# KiCad board control.kicad_pcb (continued)
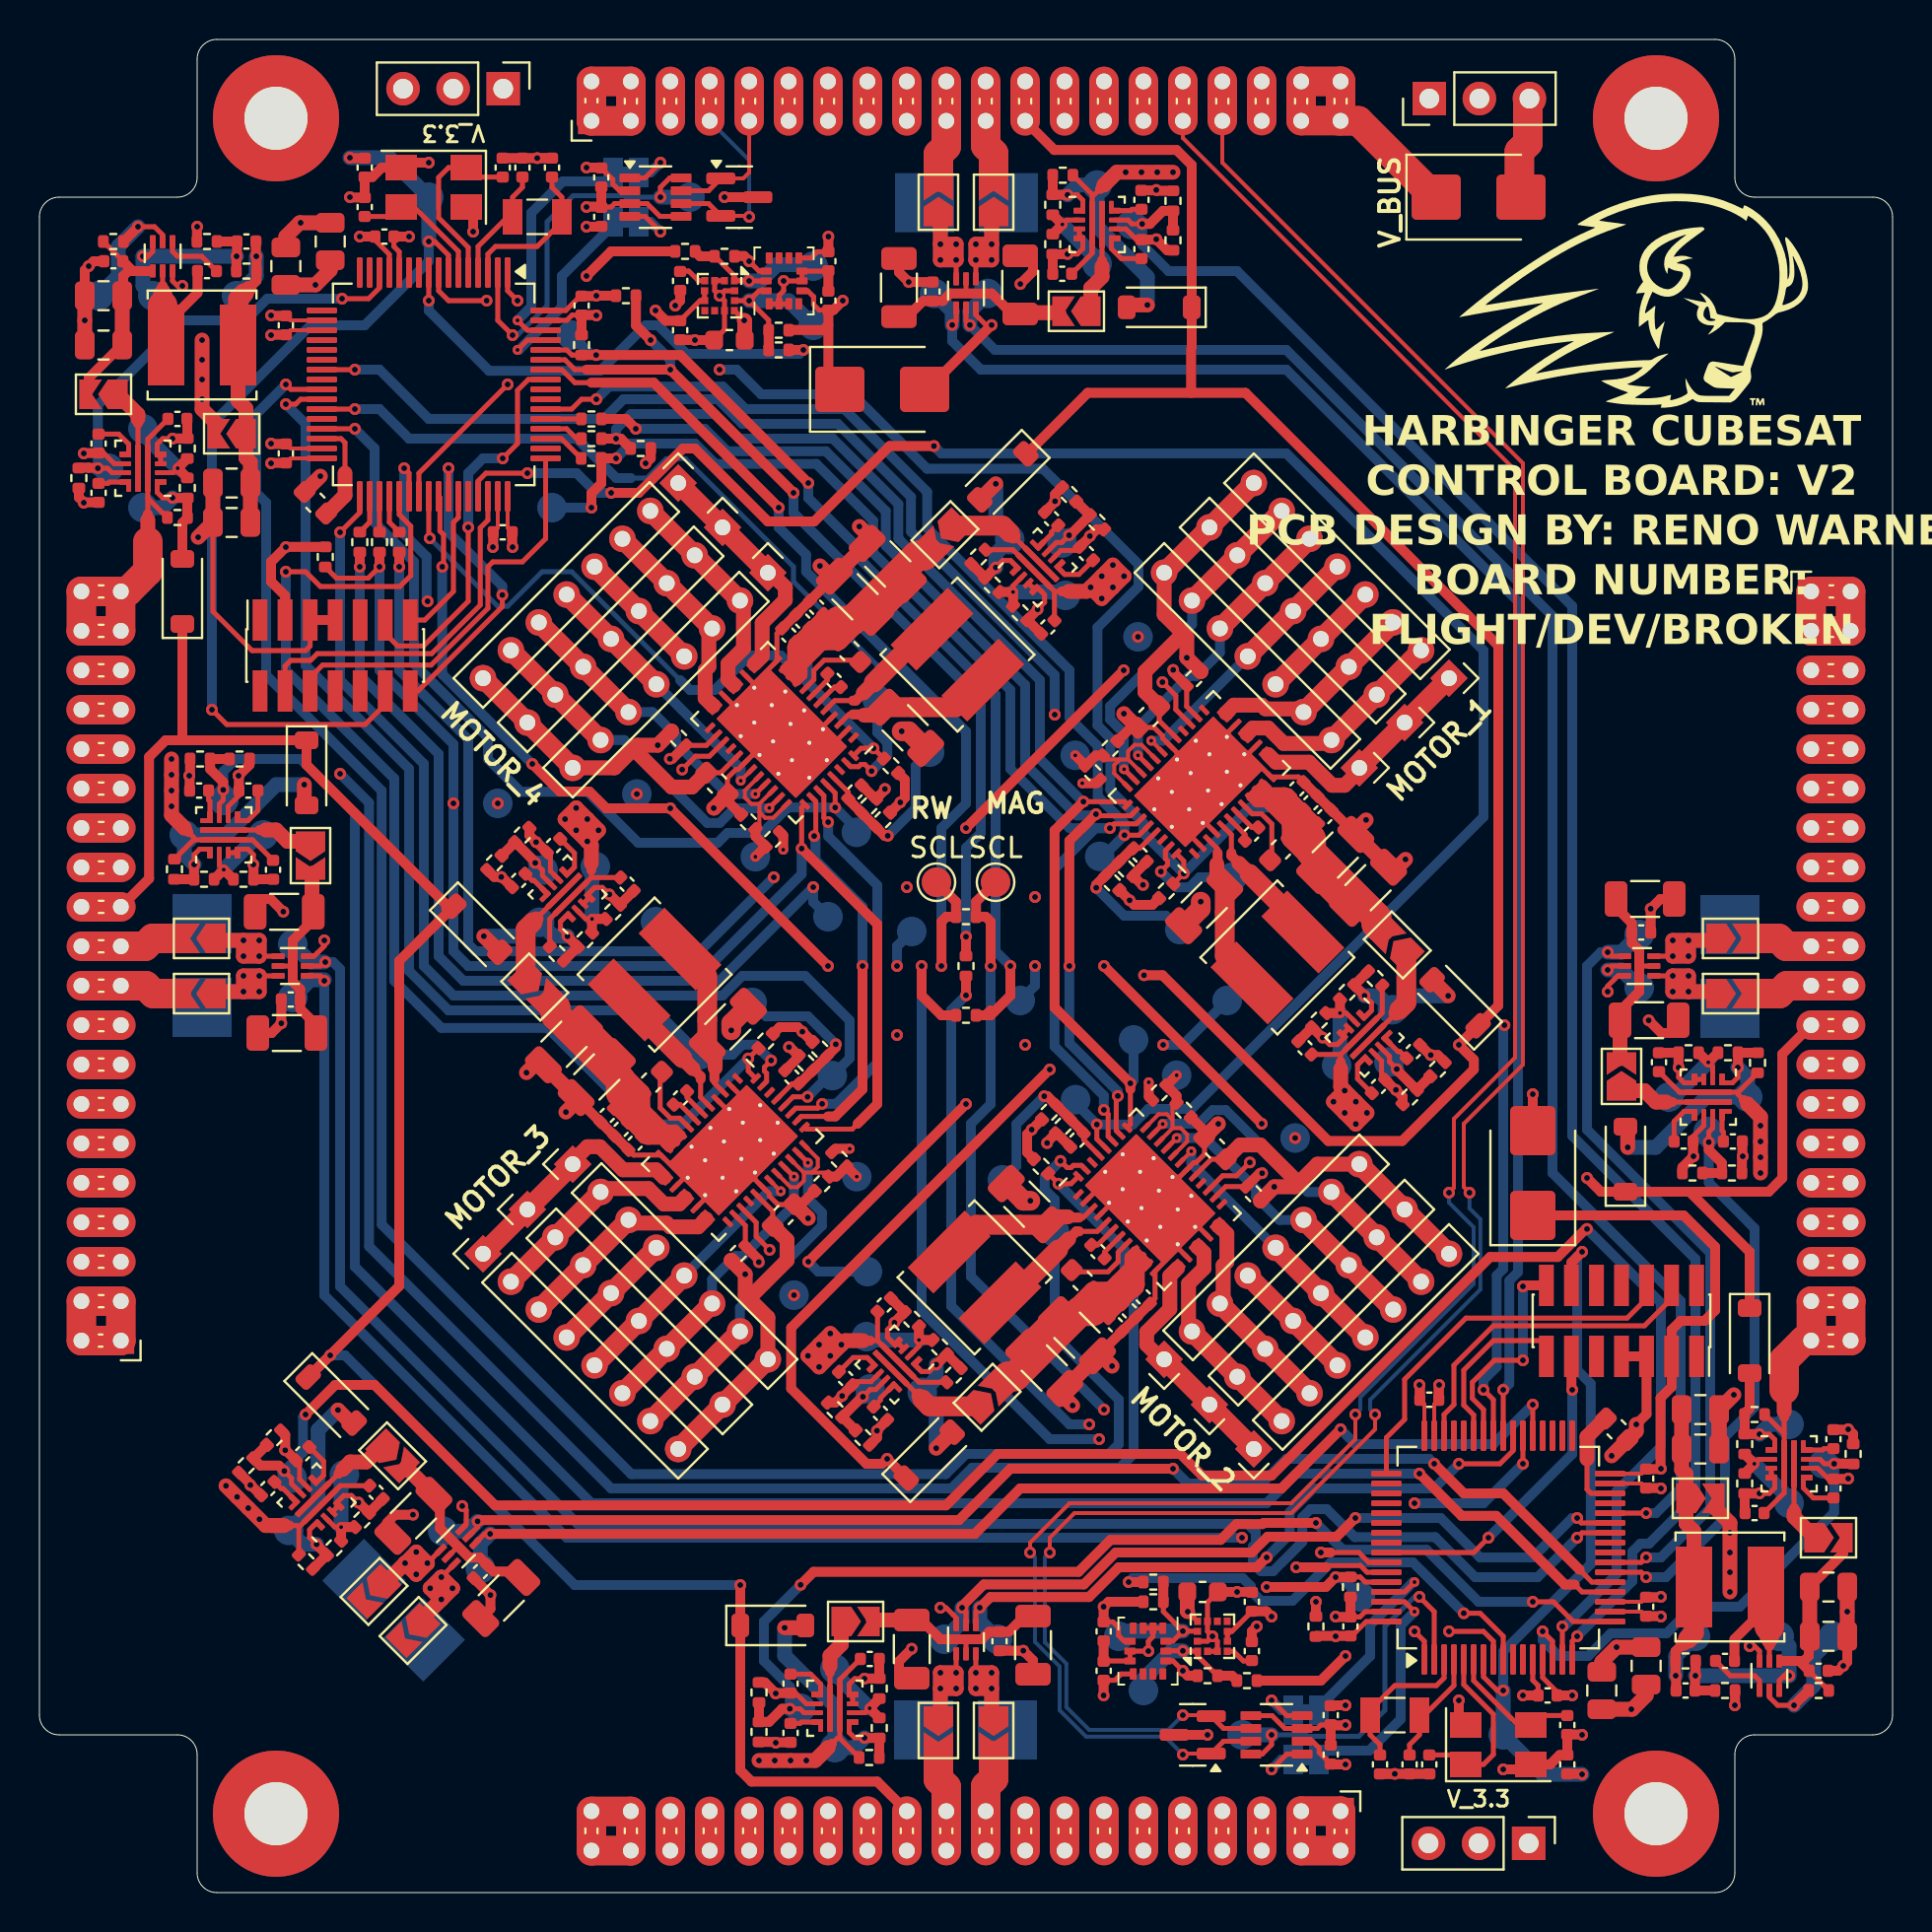
[diagram p0: board, top side]
## Placement (name value [footprint] x y rotation side) (continued)
R95  4.7kΩ  [R_0402_1005Metric]  7.5 73.25 90 top
R96  133kΩ  [R_0402_1005Metric]  10.5 82.25 180 top
R97  133kΩ  [R_0402_1005Metric]  3.75 83.75 0 top
R98  30kΩ  [R_0402_1005Metric]  8.5 83.75 180 top
R99  4.7kΩ  [R_0402_1005Metric]  27.5 78.5 90 top
R100  30kΩ  [R_0402_1005Metric]  87 24.25 180 top
R101  4.7kΩ  [R_0402_1005Metric]  86.5 22.75 270 top
R102  4.7kΩ  [R_0402_1005Metric]  86.5 20.75 270 top
R103  133kΩ  [R_0402_1005Metric]  83.5 11.75 0 top
R104  133kΩ  [R_0402_1005Metric]  90.25 10.25 180 top
R105  30kΩ  [R_0402_1005Metric]  85.5 10.25 0 top
R106  4.7kΩ  [R_0402_1005Metric]  66.5 15.5 270 top
TP1  UV  [TestPoint_Pad_D1.5mm]  68.63 44.78 225 bottom
TP2  OV  [TestPoint_Pad_D1.5mm]  65.8 41.95 225 bottom
TP3  I  [TestPoint_Pad_D1.5mm]  68.45 42.13 45 bottom
TP4  MISO  [TestPoint_Pad_D1.5mm]  23.25 55.25 0 bottom
TP5  MOSI  [TestPoint_Pad_D1.5mm]  31.25 49.25 0 bottom
TP6  CLK  [TestPoint_Pad_D1.5mm]  40 49.5 90 bottom
TP7  MISO  [TestPoint_Pad_D1.5mm]  55.5 43.25 0 bottom
TP8  MOSI  [TestPoint_Pad_D1.5mm]  60.25 45.25 270 bottom
TP9  CLK  [TestPoint_Pad_D1.5mm]  26 70.25 180 bottom
TP10  SLEEP  [TestPoint_Pad_D1.5mm]  42 31.5 270 bottom
TP11  SCL  [TestPoint_Pad_D1.5mm]  39.25 82.5 270 bottom
TP12  SDA  [TestPoint_Pad_D1.5mm]  39.25 79.5 270 bottom
TP13  SCL  [TestPoint_Pad_D1.5mm]  45.5 51.25 180 top
TP14  SDA  [TestPoint_Pad_D1.5mm]  49.75 45.25 270 bottom
TP15  +  [TestPoint_Pad_3.0x3.0mm]  49.1 8.25 90 bottom
TP16  -  [TestPoint_Pad_3.0x3.0mm]  44.85 8.25 90 bottom
TP17  HALL.N  [TestPoint_Pad_D1.5mm]  52.54 57.69 45 bottom
TP18  ILIM  [TestPoint_Pad_D1.5mm]  57.85 48.85 225 bottom
TP19  FAULT  [TestPoint_Pad_D1.5mm]  55.72 63.7 45 bottom
TP20  FGOUT  [TestPoint_Pad_D1.5mm]  63.33 55.03 225 bottom
TP21  PWM  [TestPoint_Pad_D1.5mm]  60.5 51.5 225 bottom
TP22  CS  [TestPoint_Pad_D1.5mm]  53.78 52.56 225 bottom
TP23  IN1  [TestPoint_Pad_D1.5mm]  48.6 12.85 270 bottom
TP24  IN2  [TestPoint_Pad_D1.5mm]  45.9 12.85 90 bottom
TP25  UV  [TestPoint_Pad_D1.5mm]  40.35 7.35 90 bottom
TP26  OV  [TestPoint_Pad_D1.5mm]  40.35 11.35 90 bottom
TP27  I  [TestPoint_Pad_D1.5mm]  38.6 9.35 270 bottom
TP28  +  [TestPoint_Pad_3.0x3.0mm]  8.25 44.9 0 bottom
TP29  -  [TestPoint_Pad_3.0x3.0mm]  8.25 49.15 0 bottom
TP30  IN1  [TestPoint_Pad_D1.5mm]  12.85 45.4 180 bottom
TP31  IN2  [TestPoint_Pad_D1.5mm]  12.85 48.1 0 bottom
TP32  UV  [TestPoint_Pad_D1.5mm]  7.35 53.65 0 bottom
TP33  OV  [TestPoint_Pad_D1.5mm]  11.35 53.65 0 bottom
TP34  I  [TestPoint_Pad_D1.5mm]  9.35 55.4 180 bottom
TP35  SCL  [TestPoint_Pad_D1.5mm]  48.5 51.25 180 top
TP36  SDA  [TestPoint_Pad_D1.5mm]  44.25 48.75 90 bottom
TP37  +  [TestPoint_Pad_3.0x3.0mm]  85.75 49.1 180 bottom
TP38  -  [TestPoint_Pad_3.0x3.0mm]  85.75 44.85 180 bottom
TP39  UV  [TestPoint_Pad_D1.5mm]  44.78 25.37 135 bottom
TP40  OV  [TestPoint_Pad_D1.5mm]  41.95 28.2 135 bottom
TP41  I  [TestPoint_Pad_D1.5mm]  42.13 25.55 315 bottom
TP42  SCL  [TestPoint_Pad_D1.5mm]  56 10.25 180 bottom
TP43  SDA  [TestPoint_Pad_D1.5mm]  54.75 13 90 bottom
TP44  HALL.N  [TestPoint_Pad_D1.5mm]  57.69 41.46 315 bottom
TP45  ILIM  [TestPoint_Pad_D1.5mm]  48.85 36.15 135 bottom
TP46  FAULT  [TestPoint_Pad_D1.5mm]  63.7 38.28 315 bottom
TP47  FGOUT  [TestPoint_Pad_D1.5mm]  55.03 30.67 135 bottom
TP48  PWM  [TestPoint_Pad_D1.5mm]  51.5 33.5 135 bottom
TP49  CS  [TestPoint_Pad_D1.5mm]  52.56 40.22 135 bottom
TP50  UV  [TestPoint_Pad_D1.5mm]  25.37 49.22 45 bottom
TP51  OV  [TestPoint_Pad_D1.5mm]  28.2 52.05 45 bottom
TP52  I  [TestPoint_Pad_D1.5mm]  25.55 51.87 225 bottom
TP53  HALL.N  [TestPoint_Pad_D1.5mm]  41.46 36.31 225 bottom
TP54  ILIM  [TestPoint_Pad_D1.5mm]  36.15 45.15 45 bottom
TP55  FAULT  [TestPoint_Pad_D1.5mm]  38.28 30.3 225 bottom
TP56  FGOUT  [TestPoint_Pad_D1.5mm]  30.67 38.97 45 bottom
TP57  PWM  [TestPoint_Pad_D1.5mm]  33.5 42.5 45 bottom
TP58  CS  [TestPoint_Pad_D1.5mm]  40.22 41.44 45 bottom
TP59  UV  [TestPoint_Pad_D1.5mm]  49.22 68.63 315 bottom
TP60  OV  [TestPoint_Pad_D1.5mm]  52.05 65.8 315 bottom
TP61  I  [TestPoint_Pad_D1.5mm]  51.87 68.45 135 bottom
TP62  IN1  [TestPoint_Pad_D1.5mm]  81.15 48.6 0 bottom
TP63  IN2  [TestPoint_Pad_D1.5mm]  81.15 45.9 180 bottom
TP64  HALL.N  [TestPoint_Pad_D1.5mm]  36.31 52.54 135 bottom
TP65  ILIM  [TestPoint_Pad_D1.5mm]  45.15 57.85 315 bottom
TP66  FAULT  [TestPoint_Pad_D1.5mm]  30.3 55.72 135 bottom
TP67  FGOUT  [TestPoint_Pad_D1.5mm]  38.97 63.33 315 bottom
TP68  PWM  [TestPoint_Pad_D1.5mm]  42.5 60.5 315 bottom
TP69  CS  [TestPoint_Pad_D1.5mm]  41.44 53.78 315 bottom
TP70  UV  [TestPoint_Pad_D1.5mm]  86.65 40.35 180 bottom
TP71  OV  [TestPoint_Pad_D1.5mm]  82.65 40.35 180 bottom
TP72  I  [TestPoint_Pad_D1.5mm]  84.65 38.6 0 bottom
TP73  +  [TestPoint_Pad_3.0x3.0mm]  19.47 12.82 45 bottom
TP74  -  [TestPoint_Pad_3.0x3.0mm]  16.46 15.83 45 bottom
TP75  IN1  [TestPoint_Pad_D1.5mm]  22.37 16.43 225 bottom
TP76  IN2  [TestPoint_Pad_D1.5mm]  20.46 18.34 45 bottom
TP77  UV  [TestPoint_Pad_D1.5mm]  12.64 18.37 45 bottom
TP78  OV  [TestPoint_Pad_D1.5mm]  15.47 21.2 45 bottom
TP79  I  [TestPoint_Pad_D1.5mm]  12.82 21.02 225 bottom
TP80  UV  [TestPoint_Pad_D1.5mm]  53.65 86.61 270 bottom
TP81  OV  [TestPoint_Pad_D1.5mm]  53.65 82.61 270 bottom
TP82  I  [TestPoint_Pad_D1.5mm]  55.4 84.61 90 bottom
TP83  IN1  [TestPoint_Pad_D1.5mm]  45.4 81.11 90 bottom
TP84  IN2  [TestPoint_Pad_D1.5mm]  48.1 81.11 270 bottom
TP85  +  [TestPoint_Pad_3.0x3.0mm]  44.9 85.71 270 bottom
TP86  -  [TestPoint_Pad_3.0x3.0mm]  49.15 85.71 270 bottom
TP87  UV  [TestPoint_Pad_D1.5mm]  5.25 70.25 90 bottom
TP88  OV  [TestPoint_Pad_D1.5mm]  5.25 74.25 90 bottom
TP89  I  [TestPoint_Pad_D1.5mm]  3.5 72.25 270 bottom
TP90  EN  [TestPoint_Pad_D1.5mm]  3 81 180 bottom
TP91  V  [TestPoint_Pad_D1.5mm]  10 81 180 bottom
TP92  FB  [TestPoint_Pad_D1.5mm]  5.75 81 180 bottom
TP93  RESET  [TestPoint_Pad_D1.5mm]  19.75 86 270 bottom
TP94  BOOT  [TestPoint_Pad_D1.5mm]  27 79 90 bottom
TP95  STB  [TestPoint_Pad_D1.5mm]  33 86 180 bottom
TP96  UV  [TestPoint_Pad_D1.5mm]  88.75 23.75 270 bottom
TP97  OV  [TestPoint_Pad_D1.5mm]  88.75 19.75 270 bottom
TP98  I  [TestPoint_Pad_D1.5mm]  90.5 21.75 90 bottom
TP99  EN  [TestPoint_Pad_D1.5mm]  91 13 0 bottom
TP100  V  [TestPoint_Pad_D1.5mm]  84 13 0 bottom
TP101  FB  [TestPoint_Pad_D1.5mm]  88.25 13 0 bottom
TP102  RESET  [TestPoint_Pad_D1.5mm]  74.25 8 90 bottom
TP103  BOOT  [TestPoint_Pad_D1.5mm]  67 15 270 bottom
TP104  STB  [TestPoint_Pad_D1.5mm]  61 8 0 bottom
U1  TPS259474L  [Texas_RPW0010A]  67.21 43.37 315 top
U2  LSM6DSO  [STM_LGA-14L]  56.23 12.25 270 top
U3  LIS3MDL  [LGA-12_2x2mm_P0.5mm]  59.5 13 90 top
U4  MCT8316ZR  [Texas_RGF40]  58.84 56.34 135 top
U5  DRV8212DRL  [Texas_DRL0006A]  47 12.85 270 top
U6  TPS259474L  [Texas_RPW0010A]  40.35 9.35 180 top
U7  LIS3MDL  [LGA-12_2x2mm_P0.5mm]  34.5 81 270 top
U8  DRV8212DRL  [Texas_DRL0006A]  12.85 47 180 top
U9  TPS259474L  [Texas_RPW0010A]  9.35 53.65 90 top
U10  TPS259474L  [Texas_RPW0010A]  43.37 26.79 225 top
U11  LSM6DSO  [STM_LGA-14L]  37.77 81.75 90 top
U12  MCT8316ZR  [Texas_RGF40]  56.34 35.16 45 top
U13  TPS259474L  [Texas_RPW0010A]  26.79 50.63 135 top
U14  MCT8316ZR  [Texas_RGF40]  35.16 37.66 315 top
U15  TPS259474L  [Texas_RPW0010A]  50.63 67.21 45 top
U16  DRV8212DRL  [Texas_DRL0006A]  81.15 47 0 top
U17  MCT8316ZR  [Texas_RGF40]  37.66 58.84 225 top
U18  TPS259474L  [Texas_RPW0010A]  84.65 40.35 270 top
U19  DRV8212DRL  [Texas_DRL0006A]  21.24 17.56 225 top
U20  TPS259474L  [Texas_RPW0010A]  14.06 19.79 135 top
U21  TPS259474L  [Texas_RPW0010A]  53.65 84.61 0 top
U22  DRV8212DRL  [Texas_DRL0006A]  47 81.11 90 top
U23  TPS259474L  [Texas_RPW0010A]  5.25 72.25 180 top
U24  TPS562243  [Texas_DRL0006A]  6.25 83 90 top
U25  STM32U5A5RJTx  [LQFP-64_10x10mm_P0.5mm]  20 76.5 270 top
U26  TCAN3413DDFR  [SOT-23-THIN]  31.25 86 0 top
U27  TPS259474L  [Texas_RPW0010A]  88.75 21.75 0 top
U28  TPS562243  [Texas_DRL0006A]  87.75 11 270 top
U29  STM32U5A5RJTx  [LQFP-64_10x10mm_P0.5mm]  74 17.5 90 top
U30  TCAN3413DDFR  [SOT-23-THIN]  62.75 8 180 top
Y1  ECS-80-12-30BQ-JES-TR  [Crystal_SMD_5032-4Pin_5.0x3.2mm]  20 86.5 180 top
Y2  ECS-.327-6-34QCS-TR  [Crystal_SMD_3215-2Pin_3.2x1.5mm]  25.25 85 180 top
Y3  ECS-80-12-30BQ-JES-TR  [Crystal_SMD_5032-4Pin_5.0x3.2mm]  74 7.5 0 top
Y4  ECS-.327-6-34QCS-TR  [Crystal_SMD_3215-2Pin_3.2x1.5mm]  68.75 9 0 top

## Library data of the parts
C1 C4-C6 C8-C12 C19 C22 C25 C27 C28 C31 C34 C37-C42 C49 C52-C55 C62 C65 C68-C71 C78 C81 C84 C87 C90 C93 C96 C98 C103 C104 C106 C108-C110 C116-C118 C121 C123 C128 C129 C131 C133-C135 C141 C142 = -: Description: Unpolarized capacitor; MPN: GRM155R71C104KA88; Package: 0402; Manufacture: Murata; ki_fp_filters: C_*
C2 C3 C23 C24 C32 C33 C35 C36 C50 C51 C63 C64 C79 C80 C85 C86 C88 C89 C94 C95 C119 C120 = -: Description: Unpolarized capacitor; MPN: GRM155R71C472KA01; Package: 0402; Manufacture: Murata; ki_fp_filters: C_*
C7 C16 C18 C26 C46 C48 C59 C61 C75 C77 = -: Description: Unpolarized capacitor; MPN: GRM188C71C105KA12; Package: 0603; Manufacture: Murata; ki_fp_filters: C_*
C13-C15 C20 C21 C29 C30 C43-C45 C56-C58 C66 C67 C72-C74 C82 C83 C91 C92 = -: Description: Unpolarized capacitor; MPN: GRM31CC81E226KE11; Package: 1206; Manufacture: Murata; ki_fp_filters: C_*
C17 C47 C60 C76 = -: Description: Unpolarized capacitor; MPN: GRM155R71C473KA01; Package: 0402; Manufacture: Murata; ki_fp_filters: C_*
C97 C122 = -: Description: Unpolarized capacitor; MPN: GRM1555C2A470GA01; Package: 0402; Manufacture: Murata; ki_fp_filters: C_*
C99-C102 C105 C107 C124-C127 C130 C132 = -: Description: Unpolarized capacitor; MPN: GRM21BZ71C106KE15; Package: 0805; Manufacture: Murata; ki_fp_filters: C_*
C111 C136 = -: Description: Unpolarized capacitor; MPN: GRM188C71C475KE21; Package: 0603; Manufacture: Murata; ki_fp_filters: C_*
C112 C113 C137 C138 = -: Description: Unpolarized capacitor; MPN: GRM0335C1E6R0WA01; Package: 0201; Manufacture: Murata; ki_fp_filters: C_*
C114 C115 C139 C140 = -: Description: Unpolarized capacitor; MPN: GRM1555C2A120GA01; Package: 0402; Manufacture: Murata; ki_fp_filters: C_*
D1 D2 D6 = -: Description: Zener diode; Package: SMB; Manufacture: STMicroelectronics; ki_fp_filters: TO-???* *_Diode_* *SingleDiode* D_*
D3-D5 D7-D14 = -: Description: Schottky diode; Package: SOD-123; Manufacture: Vishay; ki_fp_filters: TO-???* *_Diode_* *SingleDiode* D_*
D15 D16 = -: Description: Dual Zener diode, common anode on pin 3; Package: SOT-23-3; Manufacture: Texas Instruments; ki_fp_filters: SOT* SC*
H1-H4 = -: Description: Mounting Hole with connection; ki_fp_filters: MountingHole*Pad*
J1-J4 = -: Description: Generic connector, double row, 02x20, odd/even pin numbering scheme (row 1 odd numbers, row 2 even numbers), script generated (kicad-library-utils/schlib/autogen/connector/); Manufacture: Samtec Inc.; ki_fp_filters: Connector*:*_2x??_*
J5 J6 J8 J9 J11 J12 J14 J15 = -: Description: Generic connector, single row, 01x08, script generated; Manufacture: Samtec Inc.; ki_fp_filters: Connector*:*_1x??_*
J7 J10 J13 J16 = -: Description: Generic connector, single row, 01x08, script generated; Package: CONN_1x03_2.54; Manufacture: Samtec Inc.; ki_fp_filters: Connector*:*_1x??_*
J17 J18 J20 = -: Description: Generic connector, single row, 01x03, script generated; Package: CONN_1x08_2; Manufacture: Samtec Inc.; ki_fp_filters: Connector*:*_1x??_*
J19 J21 = -: Description: Generic connector, double row, 02x07, odd/even pin numbering scheme (row 1 odd numbers, row 2 even numbers), script generated (kicad-library-utils/schlib/autogen/connector/); Manufacture: Samtec Inc.; ki_fp_filters: Connector*:*_2x??_*
JP1-JP22 JP25 = -: Description: Solder Jumper, 2-pole, open; ki_fp_filters: SolderJumper*Open*
JP23 JP24 JP26 JP27 = -: Description: Jumper, 2-pole, closed/bridged; ki_fp_filters: Jumper* TestPoint*2Pads* TestPoint*Bridge*
L1-L5 L7 = -: Description: Inductor; Package: Nonstandard SMD(2020); Manufacture: Murata; ki_fp_filters: Choke_* *Coil* Inductor_* L_*
R1 R5 R7 R8 R15-R18 R21-R25 R28 R29 R31-R34 R36-R42 R44-R49 R52 R53 R56-R59 R61-R64 R67-R70 R72-R75 R78 R79 R81-R84 R86 R87 R89-R92 R94 R95 R99 R101 R102 R106 = -: Description: Resistor; MPN: RC0402FR-074K7L; Package: 0402; Manufacture: YAGEO; ki_fp_filters: R_*
R2-R4 R9-R14 R19 R20 R50 R51 = -: Description: Resistor; MPN: RC0402FR-07100RL; Package: 0402; Manufacture: YAGEO; ki_fp_filters: R_*
R6 R30 R35 R43 R60 R71 R80 R85 R88 R93 R98 R100 R105 = -: Description: Resistor; MPN: RC0402FR-0730KL; Package: 0402; Manufacture: YAGEO; ki_fp_filters: R_*
R26 R54 R65 R76 = -: Description: Resistor; MPN: RC0402FR-07220KL; Package: 0402; Manufacture: YAGEO; ki_fp_filters: R_*
R27 R55 R66 R77 R96 R97 R103 R104 = -: Description: Resistor; MPN: RC0402FR-07133KL; Package: 0402; Manufacture: YAGEO; ki_fp_filters: R_*
TP1-TP104 = -: Description: test point; ki_fp_filters: Pin* Test*
U1 U6 U9 U10 U13 U15 U18 U20 U21 U23 U27 = -: Datasheet: https://www.ti.com/lit/ds/symlink/tps25947.pdf; Description: 28-mΩ True Reverse Current Blocking eFuse with Input Reverse Polarity Protection; MPN: TPS259474LRPWR; Package: 10-VQFN-HR; Manufacture: Texas Instruments
U2 U11 = -: Datasheet: https://www.st.com/resource/en/datasheet/lsm6dso.pdf; Description: The LSM6DSO is a 6-axis IMU (inertial measurement unit) system-in-package featuring a 3-axis digital accelerometer and a 3-axis digital gyroscope, boosting performance at 0.55 mA in high-performance mode and enabling always-on lowpower features for an optimal motion experience for the consumer.; MPN: LSM6DSOTR; Package: 14-LGA; Manufacture: STMicroelectronics
U3 U7 = -: Datasheet: https://www.st.com/resource/en/datasheet/lis3mdl.pdf; Description: The LIS3MDL is an ultralow-power high-performance 3-axis magnetic sensor with user-selectable full scales of ±4/±8/±12/±16 gauss.; MPN: LIS3MDLTR; Package: 12-LGA; Manufacture: STMicroelectronics
U4 U12 U14 U17 = -: Datasheet: https://www.ti.com/lit/ds/symlink/mct8316z.pdf; Description: MCT8316Z Sensored Trapezoidal Integrated FET BLDC Motor Driver; MPN: MCT8316Z0RRGFR; Package: 40-VQFN; Manufacture: Texas Instruments
U5 U8 U16 U19 U22 = -: Datasheet: https://www.ti.com/lit/ds/symlink/drv8210.pdf; Description: DRV8210 11-V H-Bridge Motor Driver with PWM, PH/EN, and Half-Bridge Control Interfaces and Low-Power Sleep Mode; Package: SOT-563; Manufacture: Texas Instruments
U24 U28 = -: Datasheet: https://www.ti.com/lit/ds/symlink/tps562243.pdf; Description: 4.2V to 17V Input, 2A, Synchronous Buck Converter in SOT563; MPN: TPS562243DRLR; Package: SOT-563; Manufacture: Texas Instruments
U25 U29 = -: Datasheet: https://www.st.com/resource/en/datasheet/stm32u5a5rj.pdf; Description: STMicroelectronics Arm Cortex-M33 MCU, 4096KB flash, 2514KB RAM, 51 GPIO, LQFP64; MPN: STM32U5A5RJT6; Package: 64LQFP; Manufacture: STMicroelectronics; ki_fp_filters: LQFP*10x10mm*P0.5mm*
U26 U30 = -: Datasheet: https://www.ti.com/lit/ds/symlink/tcan3413.pdf; Description: TCAN340x 3.3V CAN FD Transceivers with Standby Mode and ±58V bus Standoff; Package: SOT-23-8 Thin; Manufacture: Texas Instruments
Y1 Y3 = -: Description: Four pin crystal, GND on pins 2 and 4; Package: 4-SMD, No Lead; Manufacture: ECS Inc.; ki_fp_filters: Crystal*
Y2 Y4 = -: Description: Two pin crystal; Package: 2-SMD, No Lead; Manufacture: ECS Inc.; ki_fp_filters: Crystal*

## Footprints (pads in the part's own frame, mm; a bottom-side part is the same pattern mirrored in y, then rotated)
C_0402_1005Metric
  rrect 0.56x0.62 smd: 1(-0.48,0) 2(0.48,0)
C_0603_1608Metric
  rrect 0.9x0.95 smd: 1(-0.775,0) 2(0.775,0)
C_0805_2012Metric
  rrect 1x1.45 smd: 1(-0.95,0) 2(0.95,0)
C_1206_3216Metric
  rrect 1.15x1.8 smd: 1(-1.475,0) 2(1.475,0)
Crystal_SMD_3215-2Pin_3.2x1.5mm
  rect 1x1.8 smd: 1(1.25,0) 2(-1.25,0)
Crystal_SMD_5032-4Pin_5.0x3.2mm
  rect 1.6x1.3 smd: 1(-1.65,-1) 2(1.65,-1) 3(1.65,1) 4(-1.65,1)
D_SMB
  rrect 2.5x2.3 smd: 1(-2.15,0) 2(2.15,0)
D_SOD-123
  rrect 0.9x1.2 smd: 1(-1.65,0) 2(1.65,0)
L_Murata_5x5
  rect 1.85x4.1 smd: 1(-1.825,0) 2(1.825,0)
LGA-12_2x2mm_P0.5mm
  rect 0.375x0.35 smd: 1(-0.762,0.75) 2(-0.762,0.25) 3(-0.762,-0.25) 4(-0.762,-0.75) 7(0.762,-0.75) 8(0.762,-0.25) 9(0.762,0.25) 10(0.762,0.75)
  rect 0.35x0.375 smd: 5(-0.25,-0.762) 6(0.25,-0.762) 11(0.25,0.762) 12(-0.25,0.762)
LQFP-64_10x10mm_P0.5mm
  rrect 1.55x0.3 smd: 1(-5.675,3.75) 2(-5.675,3.25) 3(-5.675,2.75) 4(-5.675,2.25) 5(-5.675,1.75) 6(-5.675,1.25) 7(-5.675,0.75) 8(-5.675,0.25) 9(-5.675,-0.25) 10(-5.675,-0.75) 11(-5.675,-1.25) 12(-5.675,-1.75) 13(-5.675,-2.25) 14(-5.675,-2.75) 15(-5.675,-3.25) 16(-5.675,-3.75) 33(5.675,-3.75) 34(5.675,-3.25) 35(5.675,-2.75) 36(5.675,-2.25) 37(5.675,-1.75) 38(5.675,-1.25) 39(5.675,-0.75) 40(5.675,-0.25) 41(5.675,0.25) 42(5.675,0.75) 43(5.675,1.25) 44(5.675,1.75) 45(5.675,2.25) 46(5.675,2.75) 47(5.675,3.25) 48(5.675,3.75)
  rrect 0.3x1.55 smd: 17(-3.75,-5.675) 18(-3.25,-5.675) 19(-2.75,-5.675) 20(-2.25,-5.675) 21(-1.75,-5.675) 22(-1.25,-5.675) 23(-0.75,-5.675) 24(-0.25,-5.675) 25(0.25,-5.675) 26(0.75,-5.675) 27(1.25,-5.675) 28(1.75,-5.675) 29(2.25,-5.675) 30(2.75,-5.675) 31(3.25,-5.675) 32(3.75,-5.675) 49(3.75,5.675) 50(3.25,5.675) 51(2.75,5.675) 52(2.25,5.675) 53(1.75,5.675) 54(1.25,5.675) 55(0.75,5.675) 56(0.25,5.675) 57(-0.25,5.675) 58(-0.75,5.675) 59(-1.25,5.675) 60(-1.75,5.675) 61(-2.25,5.675) 62(-2.75,5.675) 63(-3.25,5.675) 64(-3.75,5.675)
MountingHole_3.2mm_M3_Pad
  round 6.4 hole 3.2: 1(0,0)
PinHeader_1x03_P2.54mm_Vertical
  rect 1.7x1.7 hole 1: 1(0,0)
  oval 1.7x1.7 hole 1: 2(0,-2.54) 3(0,-5.08)
PinHeader_1x08_P2.00mm_Vertical
  rect 1.35x1.35 hole 0.8: 1(0,0)
  oval 1.35x1.35 hole 0.8: 2(0,-2) 3(0,-4) 4(0,-6) 5(0,-8) 6(0,-10) 7(0,-12) 8(0,-14)
PinHeader_2x20_P2.00mm_Horizontal
  rect 1.35x1.35 hole 0.8: 1(0,0)
  oval 1.35x1.35 hole 0.8: 2(2,0) 3(0,-2) 4(2,-2) 5(0,-4) 6(2,-4) 7(0,-6) 8(2,-6) 9(0,-8) 10(2,-8) 11(0,-10) 12(2,-10) 13(0,-12) 14(2,-12) 15(0,-14) 16(2,-14) 17(0,-16) 18(2,-16) 19(0,-18) 20(2,-18) 21(0,-20) 22(2,-20) 23(0,-22) 24(2,-22) 25(0,-24) 26(2,-24) 27(0,-26) 28(2,-26) 29(0,-28) 30(2,-28) 31(0,-30) 32(2,-30) 33(0,-32) 34(2,-32) 35(0,-34) 36(2,-34) 37(0,-36) 38(2,-36) 39(0,-38) 40(2,-38)
PinSocket_2x07_P1.27mm_Vertical_SMD
  rect 2.1x0.75 smd: 1(1.8,3.81) 2(-1.8,3.81) 3(1.8,2.54) 4(-1.8,2.54) 5(1.8,1.27) 6(-1.8,1.27) 7(1.8,0) 8(-1.8,0) 9(1.8,-1.27) 10(-1.8,-1.27) 11(1.8,-2.54) 12(-1.8,-2.54) 13(1.8,-3.81) 14(-1.8,-3.81)
R_0402_1005Metric
  rrect 0.54x0.64 smd: 1(-0.51,0) 2(0.51,0)
SolderJumper-2_P1.3mm_Bridged_Pad1.0x1.5mm
  rect 1x1.5 smd: 1(-0.65,0) 2(0.65,0)
SolderJumper-2_P1.3mm_Open_TrianglePad1.0x1.5mm
  custom 1.5x1.5 smd: 1(-0.725,0)
  custom 1.15x1.5 smd: 2(0.725,0)
SOT-23
  rrect 1.475x0.6 smd: 1(-0.938,0.95) 2(-0.938,-0.95) 3(0.938,0)
SOT-23-THIN
  rrect 1.05x0.45 smd: 1(-1.3,0.975) 2(-1.3,0.325) 3(-1.3,-0.325) 4(-1.3,-0.975) 5(1.3,-0.975) 6(1.3,-0.325) 7(1.3,0.325) 8(1.3,0.975)
STM_LGA-14L
  rrect 0.575x0.35 smd: 1(-1.163,0.75) 2(-1.163,0.25) 3(-1.163,-0.25) 4(-1.163,-0.75) 8(1.163,-0.75) 9(1.163,-0.25) 10(1.163,0.25) 11(1.163,0.75)
  rrect 0.35x0.575 smd: 5(-0.5,-0.912) 6(0,-0.912) 7(0.5,-0.912) 12(0.5,0.912) 13(0,0.912) 14(-0.5,0.912)
TestPoint_Pad_3.0x3.0mm
  rect 3x3 smd: 1(0,0)
TestPoint_Pad_D1.5mm
  round 1.5 smd: 1(0,0)
Texas_DRL0006A
  rrect 0.67x0.3 smd: 1(-0.74,0.5) 2(-0.74,0) 3(-0.74,-0.5) 4(0.74,-0.5) 5(0.74,0) 6(0.74,0.5)
Texas_RGF40
  rrect 1.05x1.15 smd: (-1.25,-0.675) (-1.25,-2.025) (-1.225,2.025) (-1.225,0.675) (0,2.025) (0,0.675) (0,-0.675) (0,-2.025) (1.25,-0.675) (1.25,-2.025) (1.275,2.025) (1.275,0.675)
  rrect 0.6x0.25 smd: 1(-2.4,2.75) 2(-2.4,2.25) 3(-2.4,1.75) 4(-2.4,1.25) 5(-2.4,0.75) 6(-2.4,0.25) 7(-2.4,-0.25) 8(-2.4,-0.75) 9(-2.4,-1.25) 10(-2.4,-1.75) 11(-2.4,-2.25) 12(-2.4,-2.75) 21(2.4,-2.75) 22(2.4,-2.25) 23(2.4,-1.75) 24(2.4,-1.25) 25(2.4,-0.75) 26(2.4,-0.25) 27(2.4,0.25) 28(2.4,0.75) 29(2.4,1.25) 30(2.4,1.75) 31(2.4,2.25) 32(2.4,2.75)
  rrect 0.25x0.6 smd: 13(-1.75,-3.4) 14(-1.25,-3.4) 15(-0.75,-3.4) 16(-0.25,-3.4) 17(0.25,-3.4) 18(0.75,-3.4) 19(1.25,-3.4) 20(1.75,-3.4) 33(1.75,3.4) 34(1.25,3.4) 35(0.75,3.4) 36(0.25,3.4) 37(-0.25,3.4) 38(-0.75,3.4) 39(-1.25,3.4) 40(-1.75,3.4)
  round 0.5 hole 0.2: 41(-1.6,1.35) 41(-1.6,0) 41(-1.6,-1.35) 41(-0.625,2.6) 41(-0.625,1.35) 41(-0.625,0) 41(-0.625,-1.35) 41(-0.625,-2.6) 41(0.625,2.6) 41(0.625,1.35) 41(0.625,0) 41(0.625,-1.35) 41(0.625,-2.6) 41(1.6,1.35) 41(1.6,0) 41(1.6,-1.35)
  rrect 3.7x5.7 smd: 41(0,0)
  rrect 3.7x5.7 smd far side: 41(0,0)
Texas_RPW0010A
  rrect 0.6x0.275 smd: (-0.9,0.688) (-0.9,-0.688) (0.9,0.688) (0.9,-0.688)
  rrect 0.225x0.65 smd: (-0.713,0.875) (-0.71,-0.875) (0.71,-0.875) (0.713,0.875)
  rrect 0.28x1.06 smd: (-0.25,0.63) (-0.25,-0.63) (0.25,0.63) (0.25,-0.63)
  rrect 0.6x0.3 smd: 1(-0.9,0.7) 4(-0.9,-0.7) 7(0.9,-0.7) 10(0.9,0.7)
  rrect 0.25x0.65 smd: 1(-0.725,0.875) 4(-0.725,-0.875) 7(0.725,-0.875) 10(0.725,0.875)
  rrect 0.6x0.25 smd: 2(-0.9,0.225) 3(-0.9,-0.225) 8(0.9,-0.225) 9(0.9,0.225)
  rrect 0.3x2.4 smd: 5(-0.25,0) 6(0.25,0)

## Nets
/A.SCL: R3.2 TP13.1 U25.58
/A.SDA: R1.2 R2.2 TP14.1 U25.59
/B.SCL: R3.1 R5.2 TP35.1 U29.58
/B.SDA: R2.1 TP36.1 U29.59
/CAN_A.H: D15.1 J2.9 J2.10 U26.7
/CAN_A.L: D15.2 J2.7 J2.8 U26.6
/CAN_B.H: D16.1 J2.31 J2.32 U30.7
/CAN_B.L: D16.2 J2.33 J2.34 U30.6
/CONNECTOR_X+/GPIO: J2.29 J2.30
/CONNECTOR_X+/I2C.SCL: J2.15 J2.16
/CONNECTOR_X+/I2C.SDA: J2.13 J2.14
/CONNECTOR_X+/RESERVED: J2.17 J2.18
/CONNECTOR_X+/USB.DM: J2.27 J2.28
/CONNECTOR_X+/USB.DP: J2.25 J2.26
/CONNECTOR_X+/V_3.3: J2.11 J2.12
/CONNECTOR_X+/V_SOLAR: J2.1 J2.2 J2.3 J2.4
/CONNECTOR_X-/CAN_A.H: J1.9 J1.10
/CONNECTOR_X-/CAN_A.L: J1.7 J1.8
/CONNECTOR_X-/CAN_B.H: J1.31 J1.32
/CONNECTOR_X-/CAN_B.L: J1.33 J1.34
/CONNECTOR_X-/GPIO: J1.29 J1.30
/CONNECTOR_X-/I2C.SCL: J1.15 J1.16
/CONNECTOR_X-/I2C.SDA: J1.13 J1.14
/CONNECTOR_X-/RESERVED: J1.17 J1.18
/CONNECTOR_X-/USB.DM: J1.27 J1.28
/CONNECTOR_X-/USB.DP: J1.25 J1.26
/CONNECTOR_X-/V_3.3: J1.11 J1.12
/CONNECTOR_X-/V_SOLAR: J1.1 J1.2 J1.3 J1.4
/CONNECTOR_Y+/CAN_A.H: J3.9 J3.10
/CONNECTOR_Y+/CAN_A.L: J3.7 J3.8
/CONNECTOR_Y+/CAN_B.H: J3.31 J3.32
/CONNECTOR_Y+/CAN_B.L: J3.33 J3.34
/CONNECTOR_Y+/GPIO: J3.29 J3.30
/CONNECTOR_Y+/I2C.SCL: J3.15 J3.16
/CONNECTOR_Y+/I2C.SDA: J3.13 J3.14
/CONNECTOR_Y+/RESERVED: J3.17 J3.18
/CONNECTOR_Y+/USB.DM: J3.27 J3.28
/CONNECTOR_Y+/USB.DP: J3.25 J3.26
/CONNECTOR_Y+/V_3.3: J3.11 J3.12
/CONNECTOR_Y+/V_SOLAR: J3.1 J3.2 J3.3 J3.4
/CONNECTOR_Y-/CAN_A.H: J4.9 J4.10
/CONNECTOR_Y-/CAN_A.L: J4.7 J4.8
/CONNECTOR_Y-/CAN_B.H: J4.31 J4.32
/CONNECTOR_Y-/CAN_B.L: J4.33 J4.34
/CONNECTOR_Y-/GPIO: J4.29 J4.30
/CONNECTOR_Y-/I2C.SCL: J4.15 J4.16
/CONNECTOR_Y-/I2C.SDA: J4.13 J4.14
/CONNECTOR_Y-/RESERVED: J4.17 J4.18
/CONNECTOR_Y-/USB.DM: J4.27 J4.28
/CONNECTOR_Y-/USB.DP: J4.25 J4.26
/CONNECTOR_Y-/V_3.3: J4.11 J4.12
/CONNECTOR_Y-/V_SOLAR: J4.1 J4.2 J4.3 J4.4
/MAGNET_X+.+: J2.19 J2.20 JP20.2
/MAGNET_X+.-: J2.21 J2.22 JP21.2
/MAGNET_X-.+: J1.19 J1.20 JP3.2
/MAGNET_X-.-: J1.21 J1.22 JP4.2
/MAGNET_Y+.+: J3.19 J3.20 JP6.2
/MAGNET_Y+.-: J3.21 J3.22 JP7.2
/MAGNET_Y-.+: J4.19 J4.20 JP10.2
/MAGNET_Y-.-: J4.21 J4.22 JP11.2
/MAGNETORQUERS/COMMAND/EFUSE_LATCHED/DVDT: C120.1 U27.7
/MAGNETORQUERS/COMMAND/EFUSE_LATCHED/ITIMER: C119.1 U27.10
/MAGNETORQUERS/COMMAND/EFUSE_LATCHED/OVLO: R101.2 R102.1 TP97.1 U27.2
/MAGNETORQUERS/COMMAND/EFUSE_LATCHED/UVLO: D7.2 R100.2 R101.1 TP96.1 U27.1
/MAGNETORQUERS/COMMAND/EFUSE_LATCHED/V_OUT: JP8.1 U27.6
/MAGNETORQUERS/COMMAND/MCU/VCAP: C136.1 U29.30
/MAGNETORQUERS/COMMAND/SMPS(3.3V)/SMPS/FB: C122.1 R103.2 R105.1 TP101.1 U28.6
/MAGNETORQUERS/COMMAND/SMPS(3.3V)/SMPS/SW: C121.2 L7.1 U28.2
/MAGNETORQUERS/COMMAND/SMPS(3.3V)/SMPS/V_OUT: C122.2 C126.1 C127.1 JP25.1 L7.2 R103.1 TP100.1
/MAGNETORQUERS/COMMAND/SMPS(3.3V)/V_IN: C123.1 C124.1 C125.1 JP8.2 R104.1 U28.1
/MAGNETORQUERS/COMMAND/SWD.NRST: C129.1 J21.12 TP102.1 U29.7
/MAGNETORQUERS/I2C_3.SCL: R48.1 R50.2 TP42.1 U2.13 U3.1
/MAGNETORQUERS/I2C_3.SDA: R49.1 R51.2 TP43.1 U2.14 U3.11
/MAGNETORQUERS/IMU/INT1: U2.4
/MAGNETORQUERS/IMU/INT2: U2.9
/MAGNETORQUERS/MAG_Z+.+: JP17.2
/MAGNETORQUERS/MAG_Z+.-: JP18.2
/MAGNETORQUERS/MAGNETOMETER/DRDY: U3.8
/MAGNETORQUERS/MAGNETOMETER/INT: U3.7
/MAGNETORQUERS/MAGNETORQUER_X+/BRUSHED_DRIVER/OUT_1: JP20.1 TP85.1 U22.6
/MAGNETORQUERS/MAGNETORQUER_X+/BRUSHED_DRIVER/OUT_2: JP21.1 TP86.1 U22.4
/MAGNETORQUERS/MAGNETORQUER_X+/BRUSHED_DRIVER/V_IN: C90.1 C91.1 C92.1 JP19.2 U22.5
/MAGNETORQUERS/MAGNETORQUER_X+/EFUSE_LATCHED/DVDT: C89.1 U21.7
/MAGNETORQUERS/MAGNETORQUER_X+/EFUSE_LATCHED/ITIMER: C88.1 U21.10
/MAGNETORQUERS/MAGNETORQUER_X+/EFUSE_LATCHED/OVLO: R89.2 R90.1 TP81.1 U21.2
/MAGNETORQUERS/MAGNETORQUER_X+/EFUSE_LATCHED/UVLO: D14.2 R88.2 R89.1 TP80.1 U21.1
/MAGNETORQUERS/MAGNETORQUER_X+/EFUSE_LATCHED/V_OUT: JP19.1 U21.6
/MAGNETORQUERS/MAGNETORQUER_X-/BRUSHED_DRIVER/OUT_1: JP3.1 TP15.1 U5.6
/MAGNETORQUERS/MAGNETORQUER_X-/BRUSHED_DRIVER/OUT_2: JP4.1 TP16.1 U5.4
/MAGNETORQUERS/MAGNETORQUER_X-/BRUSHED_DRIVER/V_IN: C19.1 C20.1 C21.1 JP2.2 U5.5
/MAGNETORQUERS/MAGNETORQUER_X-/EFUSE_LATCHED/DVDT: C24.1 U6.7
/MAGNETORQUERS/MAGNETORQUER_X-/EFUSE_LATCHED/ITIMER: C23.1 U6.10
/MAGNETORQUERS/MAGNETORQUER_X-/EFUSE_LATCHED/OVLO: R31.2 R32.1 TP26.1 U6.2
/MAGNETORQUERS/MAGNETORQUER_X-/EFUSE_LATCHED/UVLO: D4.2 R30.2 R31.1 TP25.1 U6.1
/MAGNETORQUERS/MAGNETORQUER_X-/EFUSE_LATCHED/V_OUT: JP2.1 U6.6
/MAGNETORQUERS/MAGNETORQUER_Y+/BRUSHED_DRIVER/OUT_1: JP6.1 TP28.1 U8.6
/MAGNETORQUERS/MAGNETORQUER_Y+/BRUSHED_DRIVER/OUT_2: JP7.1 TP29.1 U8.4
/MAGNETORQUERS/MAGNETORQUER_Y+/BRUSHED_DRIVER/V_IN: C28.1 C29.1 C30.1 JP5.2 U8.5
/MAGNETORQUERS/MAGNETORQUER_Y+/EFUSE_LATCHED/DVDT: C33.1 U9.7
/MAGNETORQUERS/MAGNETORQUER_Y+/EFUSE_LATCHED/ITIMER: C32.1 U9.10
/MAGNETORQUERS/MAGNETORQUER_Y+/EFUSE_LATCHED/OVLO: R36.2 R37.1 TP33.1 U9.2
/MAGNETORQUERS/MAGNETORQUER_Y+/EFUSE_LATCHED/UVLO: D5.2 R35.2 R36.1 TP32.1 U9.1
/MAGNETORQUERS/MAGNETORQUER_Y+/EFUSE_LATCHED/V_OUT: JP5.1 U9.6
/MAGNETORQUERS/MAGNETORQUER_Y-/BRUSHED_DRIVER/OUT_1: JP10.1 TP37.1 U16.6
/MAGNETORQUERS/MAGNETORQUER_Y-/BRUSHED_DRIVER/OUT_2: JP11.1 TP38.1 U16.4
/MAGNETORQUERS/MAGNETORQUER_Y-/BRUSHED_DRIVER/V_IN: C65.1 C66.1 C67.1 JP9.2 U16.5
/MAGNETORQUERS/MAGNETORQUER_Y-/EFUSE_LATCHED/DVDT: C80.1 U18.7
/MAGNETORQUERS/MAGNETORQUER_Y-/EFUSE_LATCHED/ITIMER: C79.1 U18.10
/MAGNETORQUERS/MAGNETORQUER_Y-/EFUSE_LATCHED/OVLO: R81.2 R82.1 TP71.1 U18.2
/MAGNETORQUERS/MAGNETORQUER_Y-/EFUSE_LATCHED/UVLO: D8.2 R80.2 R81.1 TP70.1 U18.1
/MAGNETORQUERS/MAGNETORQUER_Y-/EFUSE_LATCHED/V_OUT: JP9.1 U18.6
/MAGNETORQUERS/MAGNETORQUER_Z/BRUSHED_DRIVER/OUT_1: JP17.1 TP73.1 U19.6
/MAGNETORQUERS/MAGNETORQUER_Z/BRUSHED_DRIVER/OUT_2: JP18.1 TP74.1 U19.4
/MAGNETORQUERS/MAGNETORQUER_Z/BRUSHED_DRIVER/V_IN: C81.1 C82.1 C83.1 JP16.2 U19.5
/MAGNETORQUERS/MAGNETORQUER_Z/EFUSE_LATCHED/DVDT: C86.1 U20.7
/MAGNETORQUERS/MAGNETORQUER_Z/EFUSE_LATCHED/ITIMER: C85.1 U20.10
/MAGNETORQUERS/MAGNETORQUER_Z/EFUSE_LATCHED/OVLO: R86.2 R87.1 TP78.1 U20.2
/MAGNETORQUERS/MAGNETORQUER_Z/EFUSE_LATCHED/UVLO: D13.2 R85.2 R86.1 TP77.1 U20.1
/MAGNETORQUERS/MAGNETORQUER_Z/EFUSE_LATCHED/V_OUT: JP16.1 U20.6
/MAGNETORQUERS/PA0: R38.2 TP98.1 U27.9 U29.14
/MAGNETORQUERS/PA1: R83.2 R84.2 TP79.1 U20.9 U29.15
/MAGNETORQUERS/PA2: R91.2 R92.2 TP82.1 U21.9 U29.16
/MAGNETORQUERS/PA3: R22.2 R23.2 TP27.1 U6.9 U29.17
/MAGNETORQUERS/PA4: R33.2 R34.2 TP34.1 U9.9 U29.20
/MAGNETORQUERS/PA5: TP76.1 U19.2 U29.21
/MAGNETORQUERS/PA6: R39.2 R40.2 TP72.1 U18.9 U29.22
/MAGNETORQUERS/PA7: TP62.1 U16.1 U29.23
/MAGNETORQUERS/PA8: TP63.1 U16.2 U29.41
/MAGNETORQUERS/PA9: J21.14 U29.42
/MAGNETORQUERS/PA10: J21.13 U29.43
/MAGNETORQUERS/PA11: U29.44
/MAGNETORQUERS/PA12: U29.45
/MAGNETORQUERS/PA13: J21.4 U29.46
/MAGNETORQUERS/PA14: J21.6 U29.49
/MAGNETORQUERS/PA15: U29.50
/MAGNETORQUERS/PB0: TP31.1 U8.2 U29.26
/MAGNETORQUERS/PB1: TP24.1 U5.2 U29.27
/MAGNETORQUERS/PB2: TP84.1 U22.2 U29.28
/MAGNETORQUERS/PB3: U29.55
/MAGNETORQUERS/PB4: U29.56
/MAGNETORQUERS/PB5: J21.11 U29.57
/MAGNETORQUERS/PB8: JP27.1 U29.61
/MAGNETORQUERS/PB9: JP26.1 U29.62
/MAGNETORQUERS/PB10: U29.29
/MAGNETORQUERS/PB12: U29.33
/MAGNETORQUERS/PB13: U29.34
/MAGNETORQUERS/PB14: U29.35
/MAGNETORQUERS/PB15: U29.36
/MAGNETORQUERS/PC0: R50.1 U29.8
/MAGNETORQUERS/PC1: R51.1 U29.9
/MAGNETORQUERS/PC2: U29.10
/MAGNETORQUERS/PC3: U29.11
/MAGNETORQUERS/PC4: U29.24
/MAGNETORQUERS/PC5: U29.25
/MAGNETORQUERS/PC6: TP75.1 U19.1 U29.37
/MAGNETORQUERS/PC7: TP30.1 U8.1 U29.38
/MAGNETORQUERS/PC8: TP23.1 U5.1 U29.39
/MAGNETORQUERS/PC9: TP83.1 U22.1 U29.40
/MAGNETORQUERS/PC10: U29.51
/MAGNETORQUERS/PC11: U29.52
/MAGNETORQUERS/PC12: U29.53
/MAGNETORQUERS/PC13: TP104.1 U29.2 U30.8
/MAGNETORQUERS/PC14: C138.1 U29.3 Y4.2
/MAGNETORQUERS/PC15: C137.1 U29.4 Y4.1
/MAGNETORQUERS/PD2: U29.54
/MAGNETORQUERS/PH0: C139.1 U29.5 Y3.1
/MAGNETORQUERS/PH1: C140.2 U29.6 Y3.3
/MAGNETORQUERS/PH3: R4.1 R106.1 TP103.1 U29.60
/MAGNETORQUERS/V_3.3: C4.1 C5.1 C6.1 C7.1 C128.1 C130.1 C131.1 C132.1 C133.1 C134.1 C135.1 C141.1 C142.1 D6.1 J20.2 J21.3 JP25.2 R5.1 R48.2 R49.2 U2.5 U2.8 U2.12 U3.5 U3.6 U3.10 U29.1 U29.13 U29.19 U29.32 U29.48 U29.64 U30.3 U30.5
/REACTION WHEELS/COMMAND/EFUSE_LATCHED/DVDT: C95.1 U23.7
/REACTION WHEELS/COMMAND/EFUSE_LATCHED/ITIMER: C94.1 U23.10
/REACTION WHEELS/COMMAND/EFUSE_LATCHED/OVLO: R94.2 R95.1 TP88.1 U23.2
/REACTION WHEELS/COMMAND/EFUSE_LATCHED/UVLO: D3.2 R93.2 R94.1 TP87.1 U23.1
/REACTION WHEELS/COMMAND/EFUSE_LATCHED/V_OUT: JP1.1 U23.6
/REACTION WHEELS/COMMAND/MCU/VCAP: C111.1 U25.30
/REACTION WHEELS/COMMAND/SMPS(3.3V)/SMPS/FB: C97.1 R96.2 R98.1 TP92.1 U24.6
/REACTION WHEELS/COMMAND/SMPS(3.3V)/SMPS/SW: C96.2 L5.1 U24.2
/REACTION WHEELS/COMMAND/SMPS(3.3V)/SMPS/V_OUT: C97.2 C101.1 C102.1 JP22.1 L5.2 R96.1 TP91.1
/REACTION WHEELS/COMMAND/SMPS(3.3V)/V_IN: C98.1 C99.1 C100.1 JP1.2 R97.1 U24.1
/REACTION WHEELS/COMMAND/SWD.NRST: C104.1 J19.12 TP93.1 U25.7
/REACTION WHEELS/CONTROL_1.BRAKE: U4.38
/REACTION WHEELS/CONTROL_1.CS: TP22.1 U4.36 U25.54
/REACTION WHEELS/CONTROL_1.DRVOFF: U4.21
/REACTION WHEELS/CONTROL_1.FAULT: R29.2 TP19.1 U4.22
/REACTION WHEELS/CONTROL_1.FGOUT: R28.2 TP20.1 U4.40 U25.39
/REACTION WHEELS/CONTROL_1.PWM: TP21.1 U4.39 U25.23
/REACTION WHEELS/CONTROL_2.BRAKE: U12.38
/REACTION WHEELS/CONTROL_2.CS: TP49.1 U12.36 U25.45
/REACTION WHEELS/CONTROL_2.DRVOFF: U12.21
/REACTION WHEELS/CONTROL_2.FAULT: R57.2 TP46.1 U12.22
/REACTION WHEELS/CONTROL_2.FGOUT: R56.2 TP47.1 U12.40 U25.38
/REACTION WHEELS/CONTROL_2.PWM: TP48.1 U12.39 U25.25
/REACTION WHEELS/CONTROL_3.BRAKE: U14.38
/REACTION WHEELS/CONTROL_3.CS: TP58.1 U14.36 U25.33
/REACTION WHEELS/CONTROL_3.DRVOFF: U14.21
/REACTION WHEELS/CONTROL_3.FAULT: R68.2 TP55.1 U14.22
/REACTION WHEELS/CONTROL_3.FGOUT: R67.2 TP56.1 U14.40 U25.37
/REACTION WHEELS/CONTROL_3.PWM: TP57.1 U14.39 U25.26
/REACTION WHEELS/CONTROL_3.SLEEP: TP10.1 U4.23 U12.23 U14.23 U17.23 U25.41
/REACTION WHEELS/CONTROL_4.BRAKE: U17.38
/REACTION WHEELS/CONTROL_4.CS: TP69.1 U17.36 U25.29
/REACTION WHEELS/CONTROL_4.DRVOFF: U17.21
/REACTION WHEELS/CONTROL_4.FAULT: R79.2 TP66.1 U17.22
/REACTION WHEELS/CONTROL_4.FGOUT: R78.2 TP67.1 U17.40 U25.40
/REACTION WHEELS/CONTROL_4.PWM: TP68.1 U17.39 U25.27
/REACTION WHEELS/I2C_3.SCL: R17.1 R19.2 TP11.1 U7.1 U11.13
/REACTION WHEELS/I2C_3.SDA: R18.1 R20.2 TP12.1 U7.11 U11.14
/REACTION WHEELS/IMU/INT1: U11.4
/REACTION WHEELS/IMU/INT2: U11.9
/REACTION WHEELS/MAGNETOMETER/DRDY: U7.8
/REACTION WHEELS/MAGNETOMETER/INT: U7.7
/REACTION WHEELS/PA0: R21.2 TP89.1 U23.9 U25.14
/REACTION WHEELS/PA1: U25.15
/REACTION WHEELS/PA2: U25.16
/REACTION WHEELS/PA3: U25.17
/REACTION WHEELS/PA4: U25.20
/REACTION WHEELS/PA5: U25.21
/REACTION WHEELS/PA6: U25.22
/REACTION WHEELS/PA9: J19.14 U25.42
/REACTION WHEELS/PA10: J19.13 U25.43
/REACTION WHEELS/PA11: U25.44
/REACTION WHEELS/PA13: J19.4 U25.46
/REACTION WHEELS/PA14: J19.6 U25.49
/REACTION WHEELS/PA15: U25.50
/REACTION WHEELS/PB2: U25.28
/REACTION WHEELS/PB3: U25.55
/REACTION WHEELS/PB4: U25.56
/REACTION WHEELS/PB5: J19.11 U25.57
/REACTION WHEELS/PB8: JP24.1 U25.61
/REACTION WHEELS/PB9: JP23.1 U25.62
